# KiCad board panel_4_3.kicad_pcb (continued)
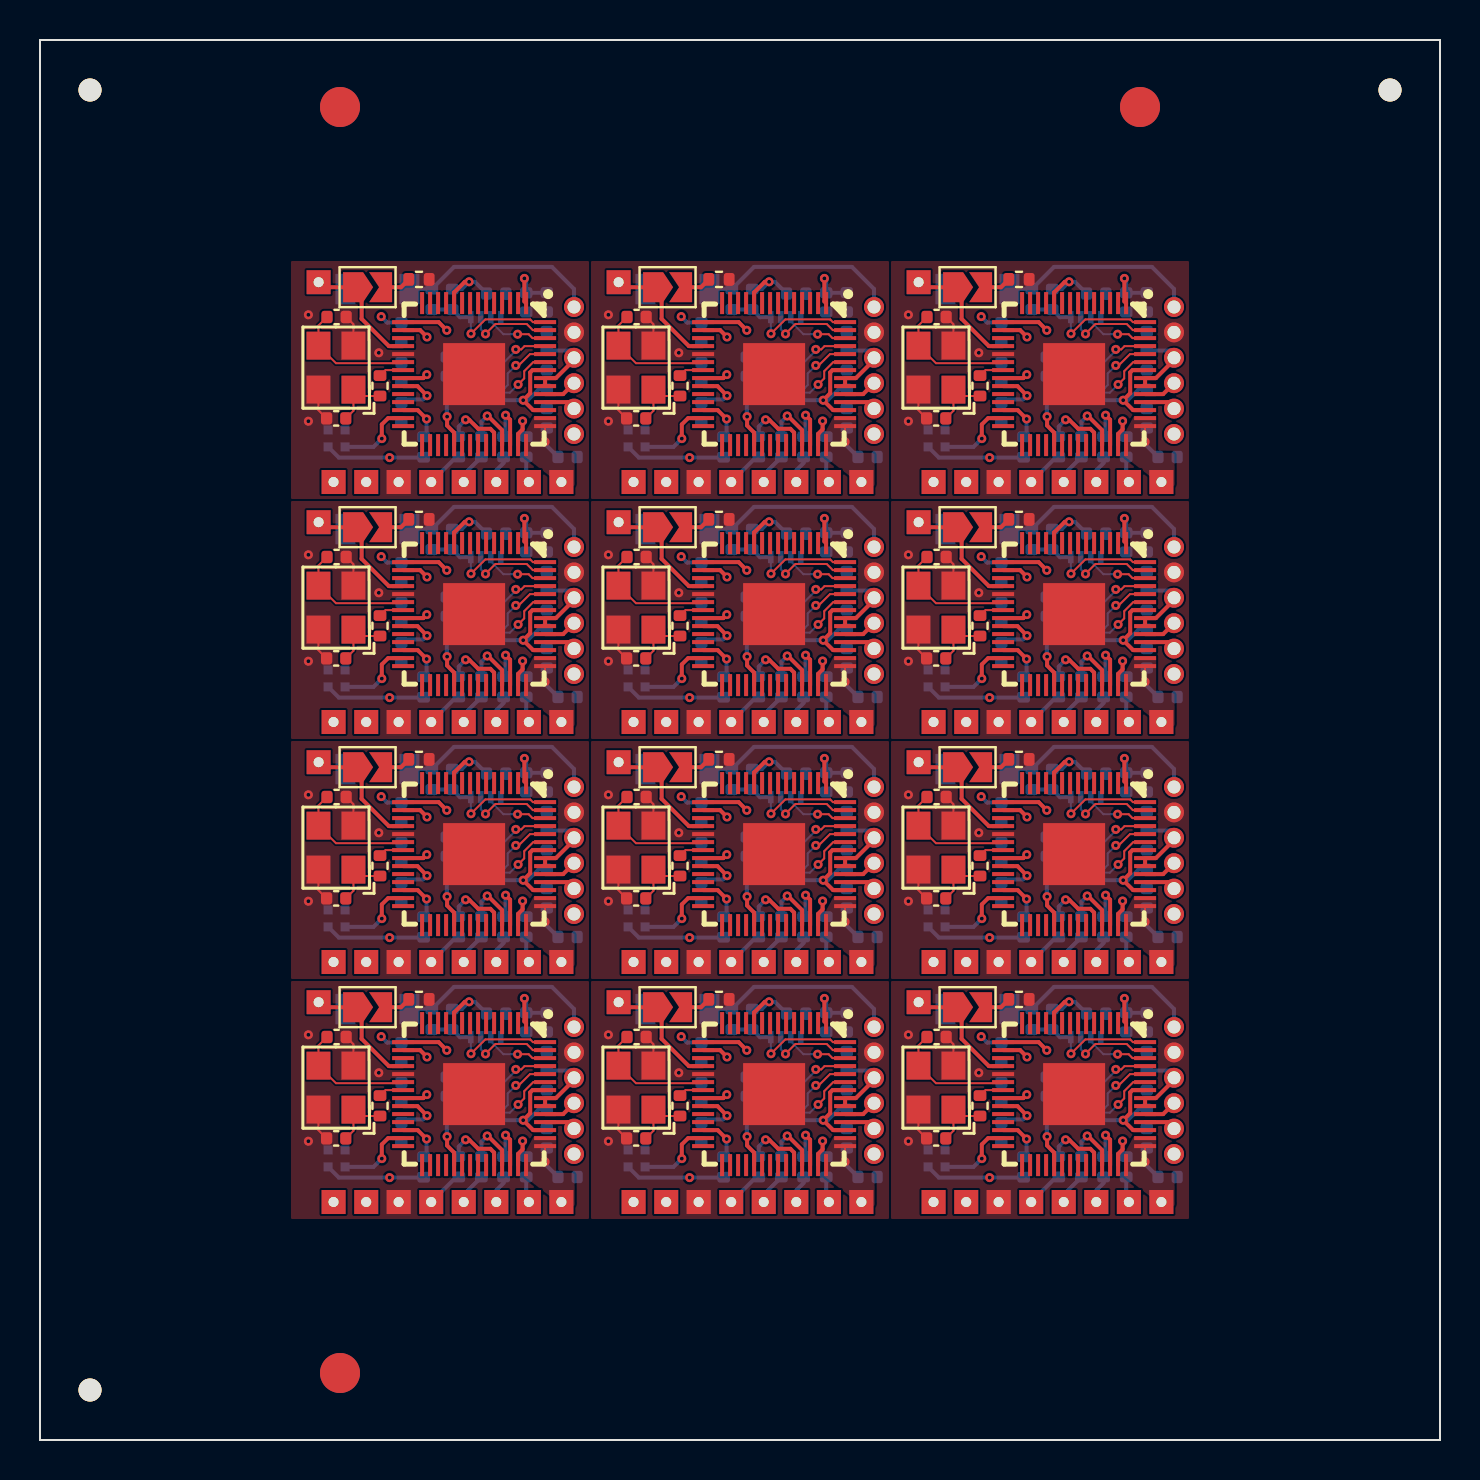
[diagram p0: board, top side]
## Routing (per net, layer and track width the routed paths; a pad name or vN(x,y) marks a point on that pad's centre or on a via; arc(x,y) is an arc through that point) (continued)
Board_7-RST: length 10.8
  Top w0.2: U1#10.26 33.88,27.49 v1(34.33,27.05)
  In1.Cu w0.2: J8#3.1 40.69,25.29 40.03,25.29 39.35,25.97 35.41,25.97 v1(34.33,27.05)
  Bottom w0.2: v1(34.33,27.05) 34.33,26.31 R2#12.2
Board_7-XIN: length 6.2
  Top w0.1: U1#10.20 33.1,29.84 29.8,29.84 X1#2.3 28.92,31.72 C3#9.1
Board_7-XOUT: length 1.3
  Top w0.1: U1#10.21 32.28,29.49 R1#5.2
Board_8-+1V1: length 15.1
  Top w0.2: U1.50 54.63,29.49 54.51,29.38 54.51,28.34 v1(54.16,27.99) 54.66,27.49 U1.45 ; v1(49.35,28.22) 48.87,28.7 U1.23
  In1.Cu w0.358: v1(49.35,28.22) 49.62,27.95 54.12,27.95 v1(54.16,27.99)
  Bottom w0.2: C4#9.1 48.22,28.03 49.16,28.03 v1(49.35,28.22) ; C2#4.1 52.01,27.99 v1(54.16,27.99) 54.39,27.99 54.94,28.54 C5#3.1
Board_8-+3V3: length 26.7
  Top w0.1: v1(55.25,25.91) U1.43
  Top w0.2: U1.1 54.22,32.93 v1(54.22,34.08) ; U1.33 50.71,26.37 50.35,26.72 v1(50.35,27.17) ; U1.22 49.16,29.09 v1(49.34,29.27) ; U1.48 U1.49 55.79,29.09 56.7,30 J8#7.4 ; v1(51.46,33.91) 51.24,33.91 50.71,33.38 U1.10
  Bottom w0.2: U5#7.2 44.94,25.12 v1(47.48,25.12) 49.16,25.12 R2#8.1 ; v1(54.22,34.08) 54.31,33.99 C9#12.1 55.33,33.36 C11#9.1 ; U2#9.8 51.47,29.19 C14#10.1 50.34,27.19 v1(50.35,27.17) ; 55.34,26.6 55.25,26.52 v1(55.25,25.91) 55.25,25.8 C6#9.2 ; 56.76,30.21 56.49,30.48 C10#6.1 ; C12#2.1 51.74,33.91 v1(51.46,33.91) 51.09,33.55 50.62,33.55 R6#5.1 ; C7.1 48.25,29.1 49.17,29.1 v1(49.34,29.27) ; C13#5.1 47.36,31.87 v1(47.06,32.17)
Board_8-BOOT: length 10
  Bottom w0.2: J8#7.6 56.7,33.55 55.59,34.66 50.7,34.66 R5.1 SW1#9.1
Board_8-D+: length 1.7
  Top w0.2: U1.47 56.16,28.3 J8#7.3
Board_8-D-: length 1.6
  Top w0.2: U1.46 56.38,27.9 J8#7.2
Board_8-GND: length 3.2
  Top w0.1: X1#4.4 43.92,27.49 C1#3.1 ; C3.2 45.67,31.79 X1#4.2
  vias: v1(43.42,32.26) v1(43.42,26.94) v1(46.94,30.36)
Board_8-LED_DATA: length 3.9
  Top w0.2: U1.27 47.41,27.09 47.09,26.78 v1(47.09,26.07)
  Bottom w0.2: v1(47.09,26.07) 46.68,25.66 U5#7.4
Board_8-Net-(JP1-B): length 1.5
  Top w0.2: JP1#4.2 48.05,33.64 R12#4.1
Board_8-Net-(U1-GPIO26_ADC0): length 3.3
  Top w0.2: v1(51.28,27.01) 51.46,27.01 51.91,26.56 52.52,26.56 52.71,26.37 U1.38
  Bottom w0.2: v1(51.28,27.01) 50.94,26.67 R8.1
Board_8-Net-(U1-GPIO27_ADC1): length 2.9
  Top w0.2: v1(52.36,27.2) 52.4,27.2 53.1,26.49 53.1,25.75
  Bottom w0.2: v1(52.36,27.2) 52.07,26.91 R9#5.1
Board_8-Net-(U1-GPIO28_ADC2): length 2.7
  Top w0.2: v1(53.28,27.24) 53.5,27.02 53.5,25.75
  Bottom w0.2: v1(53.28,27.24) 53.28,26.27 R10#9.1
Board_8-Net-(U1-GPIO29_ADC3): length 2.2
  Top w0.2: v1(54.13,26.95) 54.13,26.53 53.91,26.3 U1.41
  Bottom w0.2: R11#12.1 54.13,26.35 v1(54.13,26.95)
Board_8-Net-(X1-OSC1): length 3.1
  Top w0.1: C1#3.2 45.67,27.46 X1#4.1 45.99,28.2 R1#7.1
Board_8-NS_CLK: length 1.6
  Bottom w0.2: J3.1 51.19,24.27 R9#5.2
Board_8-NS_CMD: length 1.5
  Bottom w0.2: 52.81,23.78 52.81,24.48 53.18,24.85 R10#9.2
Board_8-NS_CPU: length 6.2
  Top w0.2: J1#4.1 44.18,33.64 JP1#4.1 46.08,33.22 46.08,32.06 47.44,30.7 U1.18
Board_8-NS_D0: length 1.3
  Bottom w0.2: J5#12.1 54.31,24.03 R11#12.2
Board_8-NS_RST: length 1.9
  Bottom w0.2: J2#8.1 50.81,25.15 R8.2
Board_8-NS_SCL: length 10.6
  Top w0.2: v1(49.35,31.15) 49,31.49 U1.16
  In2.Cu w0.2: v1(49.35,31.15) 49.35,31.14 44.68,26.47 44.68,23.78
Board_8-NS_SDA: length 11.6
  Top w0.2: U1.15 49.93,31.9 v1(50.34,31.48)
  In2.Cu w0.2: J6#2.1 46.31,27.08 50.34,31.11 v1(50.34,31.48)
Board_8-QSPI_CS: length 7
  Top w0.1: U1.56 54.65,31.9 54.51,32.03 52.26,32.03 v1(51.55,31.31)
  Bottom w0.1: 51.54,32.14 51.54,31.33 v1(51.55,31.31)
  Bottom w0.2: R5.2 R6#5.2 51,32.14 51.54,32.14
Board_8-QSPI_SCK: length 4.1
  Top w0.1: U1.52 54.5,30.3 53.93,29.73 v1(53.79,29.73)
  Bottom w0.1: U2#9.6 52.54,28.92 52.86,28.6 53.24,28.6 53.38,28.75 53.38,29.33 v1(53.79,29.73)
Board_8-QSPI_SD0: length 3.2
  Top w0.1: v1(53.79,30.53) 54.06,30.53 54.23,30.7 U1.53
  Bottom w0.1: v1(53.79,30.53) 53.79,30.48 53.04,29.73 U2#9.5
Board_8-QSPI_SD1: length 4.2
  Top w0.1: v1(52.28,31.3) 52.77,31.8 54.34,31.8 54.64,31.49 U1.55
  Bottom w0.1: v1(52.28,31.3) 52.04,31.54 52.04,32.14
Board_8-QSPI_SD2: length 3.3
  Top w0.1: U1.54 54.62,31.09 54.43,31.29 v1(53.88,31.29)
  Bottom w0.1: 52.54,32.14 52.54,31.92 53.17,31.29 v1(53.88,31.29)
Board_8-QSPI_SD3: length 4.6
  Top w0.1: v1(53.91,28.77) 54.21,29.08 54.21,29.44 54.66,29.9 U1.51
  Bottom w0.1: U2#9.7 52.04,28.77 52.44,28.37 53.5,28.37 v1(53.91,28.77)
Board_8-RST: length 10.8
  Top w0.2: v1(49.33,27.05) 48.88,27.49 U1.26
  In1.Cu w0.2: v1(49.33,27.05) 50.41,25.97 54.35,25.97 55.03,25.29 55.69,25.29 J8#7.1
  Bottom w0.2: R2#8.2 49.33,26.31 v1(49.33,27.05)
Board_8-XIN: length 6.2
  Top w0.1: C3.1 43.92,31.72 X1#4.3 44.8,29.84 48.1,29.84 U1.20
Board_8-XOUT: length 1.3
  Top w0.1: U1.21 47.28,29.49 R1#7.2
Board_9-+1V1: length 15.1
  Top w0.2: U1#7.50 24.63,17.5 24.51,17.38 24.51,16.34 v1(24.16,15.99) 24.66,15.5 U1#7.45 ; v1(19.35,16.22) 18.87,16.69 U1#7.23
  In1.Cu w0.358: v1(24.16,15.99) 24.12,15.94 19.62,15.94 v1(19.35,16.22)
  Bottom w0.2: C5#11.1 24.94,16.54 24.39,15.99 v1(24.16,15.99) 22.01,15.99 C2#2.1 ; v1(19.35,16.22) 19.16,16.03 18.22,16.03 C4#11.1
Board_9-+3V3: length 26.7
  Top w0.1: v1(25.25,13.91) U1#7.43
  Top w0.2: J8#5.4 26.7,18 25.79,17.09 U1#7.49 U1#7.48 ; U1#7.22 19.16,17.09 v1(19.34,17.27) ; v1(21.46,21.91) 21.24,21.91 20.71,21.38 U1#7.10 ; U1#7.1 24.22,20.93 v1(24.22,22.08) ; v1(20.35,15.17) 20.35,14.72 20.71,14.37 U1#7.33
  Bottom w0.2: R6#6.1 20.62,21.55 21.09,21.55 v1(21.46,21.91) 21.74,21.91 C12#3.1 ; v1(20.35,15.17) 20.34,15.19 C14#3.1 21.47,17.19 U2#6.8 ; C11#7.1 25.33,21.36 C9#2.1 24.31,21.99 v1(24.22,22.08) ; 18.07,16.92 18.25,17.1 19.17,17.1 v1(19.34,17.27) ; C10#7.1 26.49,18.47 26.76,18.21 ; C13#11.1 17.36,19.87 v1(17.06,20.17) ; C8#4.1 25.25,14.52 v1(25.25,13.91) 25.25,13.8 C6#8.2 ; 14.41,13.66 14.94,13.12 v1(17.48,13.12) 19.16,13.12 R2#11.1
Board_9-BOOT: length 10
  Bottom w0.2: SW1.1 R5#3.1 20.7,22.66 25.59,22.66 26.7,21.55 J8#5.6
Board_9-D+: length 1.7
  Top w0.2: J8#5.3 26.16,16.3 U1#7.47
Board_9-D-: length 1.6
  Top w0.2: U1#7.46 26.38,15.89 J8#5.2
Board_9-GND: length 3.2
  Top w0.1: 13.92,16.52 13.92,15.49 C1#4.1 ; X1#10.2 15.67,19.79 C3#7.2
  vias: v1(13.42,20.26) v1(13.42,14.94) v1(16.94,18.36)
Board_9-LED_DATA: length 3.9
  Top w0.2: U1#7.27 17.41,15.09 17.09,14.78 v1(17.09,14.07)
  Bottom w0.2: U5#4.4 16.68,13.66 v1(17.09,14.07)
Board_9-Net-(JP1-B): length 1.5
  Top w0.2: R12#6.1 18.05,21.64 JP1#2.2
Board_9-Net-(U1-GPIO26_ADC0): length 3.3
  Top w0.2: U1#7.38 22.71,14.37 22.52,14.56 21.91,14.56 21.46,15.01 v1(21.28,15.01)
  Bottom w0.2: v1(21.28,15.01) 20.94,14.67 R8#8.1
Board_9-Net-(U1-GPIO27_ADC1): length 2.9
  Top w0.2: v1(22.36,15.2) 22.4,15.2 23.1,14.5 23.1,13.75
  Bottom w0.2: R9#9.1 22.07,14.91 v1(22.36,15.2)
Board_9-Net-(U1-GPIO28_ADC2): length 2.7
  Top w0.2: v1(23.28,15.24) 23.5,15.02 23.5,13.75
  Bottom w0.2: v1(23.28,15.24) 23.28,14.27 R10#10.1
Board_9-Net-(U1-GPIO29_ADC3): length 2.2
  Top w0.2: v1(24.13,14.95) 24.13,14.53 23.91,14.31 U1#7.41
  Bottom w0.2: v1(24.13,14.95) 24.13,14.35 R11#5.1
Board_9-Net-(X1-OSC1): length 3.1
  Top w0.1: C1#4.2 15.67,15.46 15.67,16.52 15.99,16.2 R1#3.1
Board_9-NS_CLK: length 1.6
  Bottom w0.2: R9#9.2 21.19,12.27 J3#3.1
Board_9-NS_CMD: length 1.5
  Bottom w0.2: 22.81,11.78 22.81,12.48 23.18,12.85 R10#10.2
Board_9-NS_CPU: length 6.2
  Top w0.2: J1#2.1 14.18,21.64 JP1#2.1 16.08,21.22 16.08,20.06 17.44,18.69 U1#7.18
Board_9-NS_D0: length 1.3
  Bottom w0.2: J5#8.1 24.31,12.03 R11#5.2
Board_9-NS_RST: length 1.9
  Bottom w0.2: R8#8.2 20.81,13.15 J2#7.1
Board_9-NS_SCL: length 10.6
  Top w0.2: v1(19.35,19.15) 19,19.5 U1#7.16
  In2.Cu w0.2: 14.68,11.78 14.68,14.47 19.35,19.14 v1(19.35,19.15)
Board_9-NS_SDA: length 11.6
  Top w0.2: v1(20.34,19.48) 19.93,19.89 U1#7.15
  In2.Cu w0.2: J6#4.1 16.31,15.08 20.34,19.11 v1(20.34,19.48)
Board_9-QSPI_CS: length 7
  Top w0.1: v1(21.55,19.31) 22.26,20.03 24.51,20.03 24.65,19.89 U1#7.56
  Bottom w0.1: v1(21.55,19.31) 21.54,19.33 U2#6.1
  Bottom w0.2: U2#6.1 21,20.14 R6#6.2 R5#3.2
Board_9-QSPI_SCK: length 4.1
  Top w0.1: v1(23.79,17.73) 23.93,17.73 24.5,18.3 U1#7.52
  Bottom w0.1: U2#6.6 22.54,16.92 22.86,16.61 23.24,16.61 23.38,16.75 23.38,17.33 v1(23.79,17.73)
Board_9-QSPI_SD0: length 3.2
  Top w0.1: v1(23.79,18.53) 24.06,18.53 24.23,18.69 U1#7.53
  Bottom w0.1: v1(23.79,18.53) 23.79,18.47 23.04,17.72 U2#6.5
Board_9-QSPI_SD1: length 4.2
  Top w0.1: v1(22.28,19.31) 22.77,19.8 24.34,19.8 24.64,19.5 U1#7.55
  Bottom w0.1: U2#6.2 22.04,19.54 v1(22.28,19.31)
Board_9-QSPI_SD2: length 3.3
  Top w0.1: U1#7.54 24.62,19.09 24.43,19.29 v1(23.88,19.29)
  Bottom w0.1: v1(23.88,19.29) 23.17,19.29 22.54,19.92 U2#6.3
Board_9-QSPI_SD3: length 4.6
  Top w0.1: v1(23.91,16.78) 24.21,17.08 24.21,17.44 24.66,17.89 U1#7.51
  Bottom w0.1: v1(23.91,16.78) 23.5,16.36 22.44,16.36 22.04,16.77 U2#6.7
Board_9-RST: length 10.8
  Top w0.2: v1(19.33,15.05) 18.88,15.5 U1#7.26
  In1.Cu w0.2: J8#5.1 25.69,13.29 25.03,13.29 24.35,13.97 20.41,13.97 v1(19.33,15.05)
  Bottom w0.2: R2#11.2 19.33,14.31 v1(19.33,15.05)
Board_9-XIN: length 6.2
  Top w0.1: U1#7.20 18.1,17.84 14.8,17.84 X1#10.3 13.92,19.72 C3#7.1
Board_9-XOUT: length 1.3
  Top w0.1: U1#7.21 17.28,17.5 R1#3.2
Board_10-+1V1: length 15.1
  Top w0.2: v1(34.35,16.22) 33.87,16.69 U1#2.23 ; U1#2.50 39.63,17.5 39.51,17.38 39.51,16.34 v1(39.16,15.99) 39.66,15.5 U1#2.45
  In1.Cu w0.358: v1(34.35,16.22) 34.62,15.94 39.12,15.94 v1(39.16,15.99)
  Bottom w0.2: C2#8.1 37.01,15.99 v1(39.16,15.99) 39.39,15.99 39.94,16.54 C5#8.1 ; v1(34.35,16.22) 34.16,16.03 33.22,16.03 C4#10.1
Board_10-+3V3: length 26.7
  Top w0.1: v1(40.25,13.91) U1#2.43
  Top w0.2: U1#2.1 39.22,20.93 v1(39.22,22.08) ; U1#2.22 34.16,17.09 v1(34.34,17.27) ; v1(36.46,21.91) 36.24,21.91 35.71,21.38 U1#2.10 ; U1#2.33 35.71,14.37 35.35,14.72 v1(35.35,15.17) ; U1#2.48 U1#2.49 40.79,17.09 41.7,18 J8.4
  Bottom w0.2: R6#7.1 35.62,21.55 36.09,21.55 v1(36.46,21.91) 36.74,21.91 C12#10.1 ; R2#6.1 34.16,13.12 v1(32.48,13.12) 29.94,13.12 U5.2 ; C13#6.1 32.36,19.87 v1(32.06,20.17) ; v1(39.22,22.08) 39.31,21.99 C9#7.1 40.33,21.36 C11#10.1 ; v1(34.34,17.27) 34.17,17.1 33.25,17.1 33.07,16.92 ; U2#7.8 36.47,17.19 C14#11.1 35.34,15.19 v1(35.35,15.17) ; C6#4.2 40.25,13.8 v1(40.25,13.91) 40.25,14.52 C8#8.1 ; 41.76,18.21 41.49,18.47 C10#9.1
Board_10-BOOT: length 10
  Bottom w0.2: SW1#12.1 R5#9.1 35.7,22.66 40.59,22.66 41.7,21.55 J8.6
Board_10-D+: length 1.7
  Top w0.2: U1#2.47 41.16,16.3 J8.3
Board_10-D-: length 1.6
  Top w0.2: J8.2 41.38,15.89 U1#2.46
Board_10-GND: length 3.2
  Top w0.1: X1#11.2 30.67,19.79 C3#3.2 ; C1#5.1 28.92,15.49 28.92,16.52
  vias: v1(28.42,20.26) v1(28.42,14.94) v1(31.94,18.36)
Board_10-LED_DATA: length 3.9
  Top w0.2: U1#2.27 32.41,15.09 32.09,14.78 v1(32.09,14.07)
  Bottom w0.2: U5.4 31.68,13.66 v1(32.09,14.07)
Board_10-Net-(JP1-B): length 1.5
  Top w0.2: R12#8.1 33.05,21.64 JP1#11.2
Board_10-Net-(U1-GPIO26_ADC0): length 3.3
  Top w0.2: U1#2.38 37.71,14.37 37.52,14.56 36.91,14.56 36.46,15.01 v1(36.28,15.01)
  Bottom w0.2: v1(36.28,15.01) 35.94,14.67 R8#9.1
Board_10-Net-(U1-GPIO27_ADC1): length 2.9
  Top w0.2: 38.1,13.75 38.1,14.5 37.4,15.2 v1(37.36,15.2)
  Bottom w0.2: R9#4.1 37.07,14.91 v1(37.36,15.2)
Board_10-Net-(U1-GPIO28_ADC2): length 2.7
  Top w0.2: v1(38.28,15.24) 38.5,15.02 38.5,13.75
  Bottom w0.2: v1(38.28,15.24) 38.28,14.27 R10#11.1
Board_10-Net-(U1-GPIO29_ADC3): length 2.2
  Top w0.2: U1#2.41 38.91,14.31 39.13,14.53 v1(39.13,14.95)
  Bottom w0.2: R11#2.1 39.13,14.35 v1(39.13,14.95)
Board_10-Net-(X1-OSC1): length 3.1
  Top w0.1: R1.1 30.99,16.2 30.67,16.52 30.67,15.46 C1#5.2
Board_10-NS_CLK: length 1.6
  Bottom w0.2: J3#5.1 36.19,12.27 R9#4.2
Board_10-NS_CMD: length 1.5
  Bottom w0.2: R10#11.2 38.18,12.85 37.81,12.48 37.81,11.78
Board_10-NS_CPU: length 6.2
  Top w0.2: J1#11.1 29.18,21.64 JP1#11.1 31.08,21.22 31.08,20.06 32.44,18.69 U1#2.18
Board_10-NS_D0: length 1.3
  Bottom w0.2: R11#2.2 39.31,12.03 J5#2.1
Board_10-NS_RST: length 1.9
  Bottom w0.2: R8#9.2 35.81,13.15 J2#4.1
Board_10-NS_SCL: length 10.6
  Top w0.2: v1(34.35,19.15) 34,19.5 U1#2.16
  In2.Cu w0.2: v1(34.35,19.15) 34.35,19.14 29.68,14.47 29.68,11.78
Board_10-NS_SDA: length 11.6
  Top w0.2: U1#2.15 34.93,19.89 v1(35.34,19.48)
  In2.Cu w0.2: v1(35.34,19.48) 35.34,19.11 31.31,15.08 J6#6.1
Board_10-QSPI_CS: length 7
  Top w0.1: U1#2.56 39.65,19.89 39.51,20.03 37.26,20.03 v1(36.55,19.31)
  Bottom w0.1: v1(36.55,19.31) 36.54,19.33 U2#7.1
  Bottom w0.2: R5#9.2 R6#7.2 36,20.14 U2#7.1
Board_10-QSPI_SCK: length 4.1
  Top w0.1: U1#2.52 39.5,18.3 38.93,17.73 v1(38.79,17.73)
  Bottom w0.1: v1(38.79,17.73) 38.38,17.33 38.38,16.75 38.24,16.61 37.86,16.61 37.54,16.92 U2#7.6
Board_10-QSPI_SD0: length 3.2
  Top w0.1: v1(38.79,18.53) 39.06,18.53 39.23,18.69 U1#2.53
  Bottom w0.1: v1(38.79,18.53) 38.79,18.47 38.04,17.72 U2#7.5
Board_10-QSPI_SD1: length 4.2
  Top w0.1: v1(37.28,19.31) 37.77,19.8 39.34,19.8 39.64,19.5 U1#2.55
  Bottom w0.1: v1(37.28,19.31) 37.04,19.54 U2#7.2
Board_10-QSPI_SD2: length 3.3
  Top w0.1: v1(38.88,19.29) 39.43,19.29 39.62,19.09 U1#2.54
  Bottom w0.1: v1(38.88,19.29) 38.17,19.29 37.54,19.92 U2#7.3
Board_10-QSPI_SD3: length 4.6
  Top w0.1: U1#2.51 39.66,17.89 39.21,17.44 39.21,17.08 v1(38.91,16.78)
  Bottom w0.1: v1(38.91,16.78) 38.5,16.36 37.44,16.36 37.04,16.77 U2#7.7
Board_10-RST: length 10.8
  Top w0.2: v1(34.33,15.05) 33.88,15.5 U1#2.26
  In1.Cu w0.2: J8.1 40.69,13.29 40.03,13.29 39.35,13.97 35.41,13.97 v1(34.33,15.05)
  Bottom w0.2: R2#6.2 34.33,14.31 v1(34.33,15.05)
Board_10-XIN: length 6.2
  Top w0.1: U1#2.20 33.1,17.84 29.8,17.84 X1#11.3 28.92,19.72 C3#3.1
Board_10-XOUT: length 1.3
  Top w0.1: R1.2 32.28,17.5 U1#2.21
Board_11-+1V1: length 15.1
  Top w0.2: v1(49.35,16.22) 48.87,16.69 U1#4.23 ; U1#4.50 54.63,17.5 54.51,17.38 54.51,16.34 v1(54.16,15.99) 54.66,15.5 U1#4.45
  In1.Cu w0.358: v1(49.35,16.22) 49.62,15.94 54.12,15.94 v1(54.16,15.99)
  Bottom w0.2: C2#12.1 52.01,15.99 v1(54.16,15.99) 54.39,15.99 54.94,16.54 C5#7.1 ; v1(49.35,16.22) 49.16,16.03 48.22,16.03 C4#7.1
Board_11-+3V3: length 26.7
  Top w0.1: v1(55.25,13.91) U1#4.43
  Top w0.2: v1(49.34,17.27) 49.16,17.09 U1#4.22 ; U1#4.10 50.71,21.38 51.24,21.91 v1(51.46,21.91) ; v1(50.35,15.17) 50.35,14.72 50.71,14.37 U1#4.33 ; J8#11.4 56.7,18 55.79,17.09 U1#4.49 U1#4.48 ; v1(54.22,22.08) 54.22,20.93 U1#4.1
  Bottom w0.2: R2#2.1 49.16,13.12 v1(47.48,13.12) 44.94,13.12 U5#2.2 ; v1(47.06,20.17) 47.36,19.87 C13#12.1 ; C12#9.1 51.74,21.91 v1(51.46,21.91) 51.09,21.55 50.62,21.55 R6#9.1 ; v1(49.34,17.27) 49.17,17.1 48.25,17.1 48.07,16.92 ; v1(54.22,22.08) 54.31,21.99 C9#10.1 55.33,21.36 C11#2.1 ; U2#10.8 51.47,17.19 C14#8.1 50.34,15.19 v1(50.35,15.17) ; C6.2 55.25,13.8 v1(55.25,13.91) 55.25,14.52 C8#2.1 ; 56.76,18.21 56.49,18.47 C10#10.1
Board_11-BOOT: length 10
  Bottom w0.2: J8#11.6 56.7,21.55 55.59,22.66 50.7,22.66 R5#4.1 SW1#7.1
Board_11-D+: length 1.7
  Top w0.2: U1#4.47 56.16,16.3 J8#11.3
Board_11-D-: length 1.6
  Top w0.2: J8#11.2 56.38,15.89 U1#4.46
Board_11-GND: length 3.2
  Top w0.1: C1#8.1 43.92,15.49 43.92,16.52 ; C3#4.2 45.67,19.79 X1#9.2
  vias: v1(43.42,20.26) v1(43.42,14.94) v1(46.94,18.36)
Board_11-LED_DATA: length 3.9
  Top w0.2: v1(47.09,14.07) 47.09,14.78 47.41,15.09 U1#4.27
  Bottom w0.2: U5#2.4 46.68,13.66 v1(47.09,14.07)
Board_11-Net-(JP1-B): length 1.5
  Top w0.2: JP1#3.2 48.05,21.64 R12#11.1
Board_11-Net-(U1-GPIO26_ADC0): length 3.3
  Top w0.2: U1#4.38 52.71,14.37 52.52,14.56 51.91,14.56 51.46,15.01 v1(51.28,15.01)
  Bottom w0.2: v1(51.28,15.01) 50.94,14.67 R8#5.1
Board_11-Net-(U1-GPIO27_ADC1): length 2.9
  Top w0.2: 53.1,13.75 53.1,14.5 52.4,15.2 v1(52.36,15.2)
  Bottom w0.2: R9.1 52.07,14.91 v1(52.36,15.2)
Board_11-Net-(U1-GPIO28_ADC2): length 2.7
  Top w0.2: v1(53.28,15.24) 53.5,15.02 53.5,13.75
  Bottom w0.2: v1(53.28,15.24) 53.28,14.27 R10.1
Board_11-Net-(U1-GPIO29_ADC3): length 2.2
  Top w0.2: v1(54.13,14.95) 54.13,14.53 53.91,14.31 U1#4.41
  Bottom w0.2: v1(54.13,14.95) 54.13,14.35 R11#9.1
Board_11-Net-(X1-OSC1): length 3.1
  Top w0.1: C1#8.2 45.67,15.46 45.67,16.52 45.99,16.2 R1#6.1
Board_11-NS_CLK: length 1.6
  Bottom w0.2: R9.2 51.19,12.27 J3#7.1
Board_11-NS_CMD: length 1.5
  Bottom w0.2: R10.2 53.18,12.85 52.81,12.48 52.81,11.78
Board_11-NS_CPU: length 6.2
  Top w0.2: J1#10.1 44.18,21.64 JP1#3.1 46.08,21.22 46.08,20.06 47.44,18.69 U1#4.18
Board_11-NS_D0: length 1.3
  Bottom w0.2: R11#9.2 54.31,12.03 J5#7.1
Board_11-NS_RST: length 1.9
  Bottom w0.2: R8#5.2 50.81,13.15 J2#12.1
Board_11-NS_SCL: length 10.6
  Top w0.2: v1(49.35,19.15) 49,19.5 U1#4.16
  In2.Cu w0.2: 44.68,11.78 44.68,14.47 49.35,19.14 v1(49.35,19.15)
Board_11-NS_SDA: length 11.6
  Top w0.2: U1#4.15 49.93,19.89 v1(50.34,19.48)
  In2.Cu w0.2: J6#10.1 46.31,15.08 50.34,19.11 v1(50.34,19.48)
Board_11-QSPI_CS: length 7
  Top w0.1: v1(51.55,19.31) 52.26,20.03 54.51,20.03 54.65,19.89 U1#4.56
  Bottom w0.1: U2#10.1 51.54,19.33 v1(51.55,19.31)
  Bottom w0.2: U2#10.1 51,20.14 R6#9.2 R5#4.2
Board_11-QSPI_SCK: length 4.1
  Top w0.1: U1#4.52 54.5,18.3 53.93,17.73 v1(53.79,17.73)
  Bottom w0.1: U2#10.6 52.54,16.92 52.86,16.61 53.24,16.61 53.38,16.75 53.38,17.33 v1(53.79,17.73)
Board_11-QSPI_SD0: length 3.2
  Top w0.1: v1(53.79,18.53) 54.06,18.53 54.23,18.69 U1#4.53
  Bottom w0.1: U2#10.5 53.04,17.72 53.79,18.47 v1(53.79,18.53)
Board_11-QSPI_SD1: length 4.2
  Top w0.1: U1#4.55 54.64,19.5 54.34,19.8 52.77,19.8 v1(52.28,19.31)
  Bottom w0.1: v1(52.28,19.31) 52.04,19.54 U2#10.2
Board_11-QSPI_SD2: length 3.3
  Top w0.1: v1(53.88,19.29) 54.43,19.29 54.62,19.09 U1#4.54
  Bottom w0.1: U2#10.3 52.54,19.92 53.17,19.29 v1(53.88,19.29)
Board_11-QSPI_SD3: length 4.6
  Top w0.1: v1(53.91,16.78) 54.21,17.08 54.21,17.44 54.66,17.89 U1#4.51
  Bottom w0.1: v1(53.91,16.78) 53.5,16.36 52.44,16.36 52.04,16.77 U2#10.7
Board_11-RST: length 10.8
  Top w0.2: U1#4.26 48.88,15.5 v1(49.33,15.05)
  In1.Cu w0.2: v1(49.33,15.05) 50.41,13.97 54.35,13.97 55.03,13.29 55.69,13.29 J8#11.1
  Bottom w0.2: v1(49.33,15.05) 49.33,14.31 R2#2.2
Board_11-XIN: length 6.2
  Top w0.1: C3#4.1 43.92,19.72 X1#9.3 44.8,17.84 48.1,17.84 U1#4.20
Board_11-XOUT: length 1.3
  Top w0.1: U1#4.21 47.28,17.5 R1#6.2

## Copper pours and planes (outline as drawn; the poured copper is in the pictures)
Board_0-+3V3 on Top: 24.7,51.2 25.81,51.2 25.81,49.37 26.72,49.35 26.74,47.66 26.16,47.66 24.21,49.2 24.21,50.3
Board_0-+3V3 on In2.Cu: 27.4,47.1 12.6,47.1 12.6,58.9 27.4,58.9
Board_0-GND on Top: 27.45,47.05 12.55,47.05 12.55,58.95 27.45,58.95
Board_0-GND on Bottom: 27.4,47.1 12.6,47.1 12.6,58.9 27.4,58.9
Board_0-GND on In1.Cu: 27.45,47.05 12.55,47.05 12.55,58.95 27.45,58.95
Board_1-+3V3 on Top: 39.7,51.2 40.81,51.2 40.81,49.37 41.72,49.35 41.74,47.66 41.16,47.66 39.21,49.2 39.21,50.3
Board_1-+3V3 on In2.Cu: 42.4,47.1 27.6,47.1 27.6,58.9 42.4,58.9
Board_1-GND on Top: 42.45,47.05 27.55,47.05 27.55,58.95 42.45,58.95
Board_1-GND on Bottom: 42.4,47.1 27.6,47.1 27.6,58.9 42.4,58.9
Board_1-GND on In1.Cu: 42.45,47.05 27.55,47.05 27.55,58.95 42.45,58.95
Board_2-+3V3 on Top: 54.7,51.2 55.81,51.2 55.81,49.37 56.72,49.35 56.74,47.66 56.16,47.66 54.21,49.2 54.21,50.3
Board_2-+3V3 on In2.Cu: 57.4,47.1 42.6,47.1 42.6,58.9 57.4,58.9
Board_2-GND on Top: 57.45,47.05 42.55,47.05 42.55,58.95 57.45,58.95
Board_2-GND on Bottom: 57.4,47.1 42.6,47.1 42.6,58.9 57.4,58.9
Board_2-GND on In1.Cu: 57.45,47.05 42.55,47.05 42.55,58.95 57.45,58.95
Board_3-+3V3 on Top: 24.7,39.2 25.81,39.2 25.81,37.37 26.72,37.35 26.74,35.66 26.16,35.66 24.21,37.2 24.21,38.3
Board_3-+3V3 on In2.Cu: 27.4,35.1 12.6,35.1 12.6,46.9 27.4,46.9
Board_3-GND on Top: 27.45,35.05 12.55,35.05 12.55,46.95 27.45,46.95
Board_3-GND on Bottom: 27.4,35.1 12.6,35.1 12.6,46.9 27.4,46.9
Board_3-GND on In1.Cu: 27.45,35.05 12.55,35.05 12.55,46.95 27.45,46.95
Board_4-+3V3 on Top: 39.7,39.2 40.81,39.2 40.81,37.37 41.72,37.35 41.74,35.66 41.16,35.66 39.21,37.2 39.21,38.3
Board_4-+3V3 on In2.Cu: 42.4,35.1 27.6,35.1 27.6,46.9 42.4,46.9
Board_4-GND on Top: 42.45,35.05 27.55,35.05 27.55,46.95 42.45,46.95
Board_4-GND on Bottom: 42.4,35.1 27.6,35.1 27.6,46.9 42.4,46.9
Board_4-GND on In1.Cu: 42.45,35.05 27.55,35.05 27.55,46.95 42.45,46.95
Board_5-+3V3 on Top: 54.7,39.2 55.81,39.2 55.81,37.37 56.72,37.35 56.74,35.66 56.16,35.66 54.21,37.2 54.21,38.3
Board_5-+3V3 on In2.Cu: 57.4,35.1 42.6,35.1 42.6,46.9 57.4,46.9
Board_5-GND on Top: 57.45,35.05 42.55,35.05 42.55,46.95 57.45,46.95
Board_5-GND on Bottom: 57.4,35.1 42.6,35.1 42.6,46.9 57.4,46.9
Board_5-GND on In1.Cu: 57.45,35.05 42.55,35.05 42.55,46.95 57.45,46.95
Board_6-+3V3 on Top: 24.7,27.2 25.81,27.2 25.81,25.36 26.72,25.36 26.74,23.67 26.16,23.67 24.21,25.19 24.21,26.3
Board_6-+3V3 on In2.Cu: 27.4,23.1 12.6,23.1 12.6,34.9 27.4,34.9
Board_6-GND on Top: 27.45,23.05 12.55,23.05 12.55,34.95 27.45,34.95
Board_6-GND on Bottom: 27.4,23.1 12.6,23.1 12.6,34.9 27.4,34.9
Board_6-GND on In1.Cu: 27.45,23.05 12.55,23.05 12.55,34.95 27.45,34.95
Board_7-+3V3 on Top: 39.7,27.2 40.81,27.2 40.81,25.36 41.72,25.36 41.74,23.67 41.16,23.67 39.21,25.19 39.21,26.3
Board_7-+3V3 on In2.Cu: 42.4,23.1 27.6,23.1 27.6,34.9 42.4,34.9
Board_7-GND on Top: 42.45,23.05 27.55,23.05 27.55,34.95 42.45,34.95
Board_7-GND on Bottom: 42.4,23.1 27.6,23.1 27.6,34.9 42.4,34.9
Board_7-GND on In1.Cu: 42.45,23.05 27.55,23.05 27.55,34.95 42.45,34.95
Board_8-+3V3 on Top: 54.7,27.2 55.81,27.2 55.81,25.36 56.72,25.36 56.74,23.67 56.16,23.67 54.21,25.19 54.21,26.3
Board_8-+3V3 on In2.Cu: 57.4,23.1 42.6,23.1 42.6,34.9 57.4,34.9
Board_8-GND on Top: 57.45,23.05 42.55,23.05 42.55,34.95 57.45,34.95
Board_8-GND on Bottom: 57.4,23.1 42.6,23.1 42.6,34.9 57.4,34.9
Board_8-GND on In1.Cu: 57.45,23.05 42.55,23.05 42.55,34.95 57.45,34.95
Board_9-+3V3 on Top: 24.7,15.2 25.81,15.19 25.81,13.36 26.72,13.36 26.74,11.67 26.16,11.67 24.21,13.19 24.21,14.3
Board_9-+3V3 on In2.Cu: 27.4,11.1 12.6,11.1 12.6,22.9 27.4,22.9
Board_9-GND on Top: 27.45,11.05 12.55,11.05 12.55,22.95 27.45,22.95
Board_9-GND on Bottom: 27.4,11.1 12.6,11.1 12.6,22.9 27.4,22.9
Board_9-GND on In1.Cu: 27.45,11.05 12.55,11.05 12.55,22.95 27.45,22.95
Board_10-+3V3 on Top: 39.7,15.2 40.81,15.19 40.81,13.36 41.72,13.36 41.74,11.67 41.16,11.67 39.21,13.19 39.21,14.3
Board_10-+3V3 on In2.Cu: 42.4,11.1 27.6,11.1 27.6,22.9 42.4,22.9
Board_10-GND on Top: 42.45,11.05 27.55,11.05 27.55,22.95 42.45,22.95
Board_10-GND on Bottom: 42.4,11.1 27.6,11.1 27.6,22.9 42.4,22.9
Board_10-GND on In1.Cu: 42.45,11.05 27.55,11.05 27.55,22.95 42.45,22.95
Board_11-+3V3 on Top: 54.7,15.2 55.81,15.19 55.81,13.36 56.72,13.36 56.74,11.67 56.16,11.67 54.21,13.19 54.21,14.3
Board_11-+3V3 on In2.Cu: 57.4,11.1 42.6,11.1 42.6,22.9 57.4,22.9
Board_11-GND on Top: 57.45,11.05 42.55,11.05 42.55,22.95 57.45,22.95
Board_11-GND on Bottom: 57.4,11.1 42.6,11.1 42.6,22.9 57.4,22.9
Board_11-GND on In1.Cu: 57.45,11.05 42.55,11.05 42.55,22.95 57.45,22.95

## Text on the board
User.Comments: V-CUT
